# Altium PCB PCB1_Bak.PcbDoc (part 2 of 5) (continued)
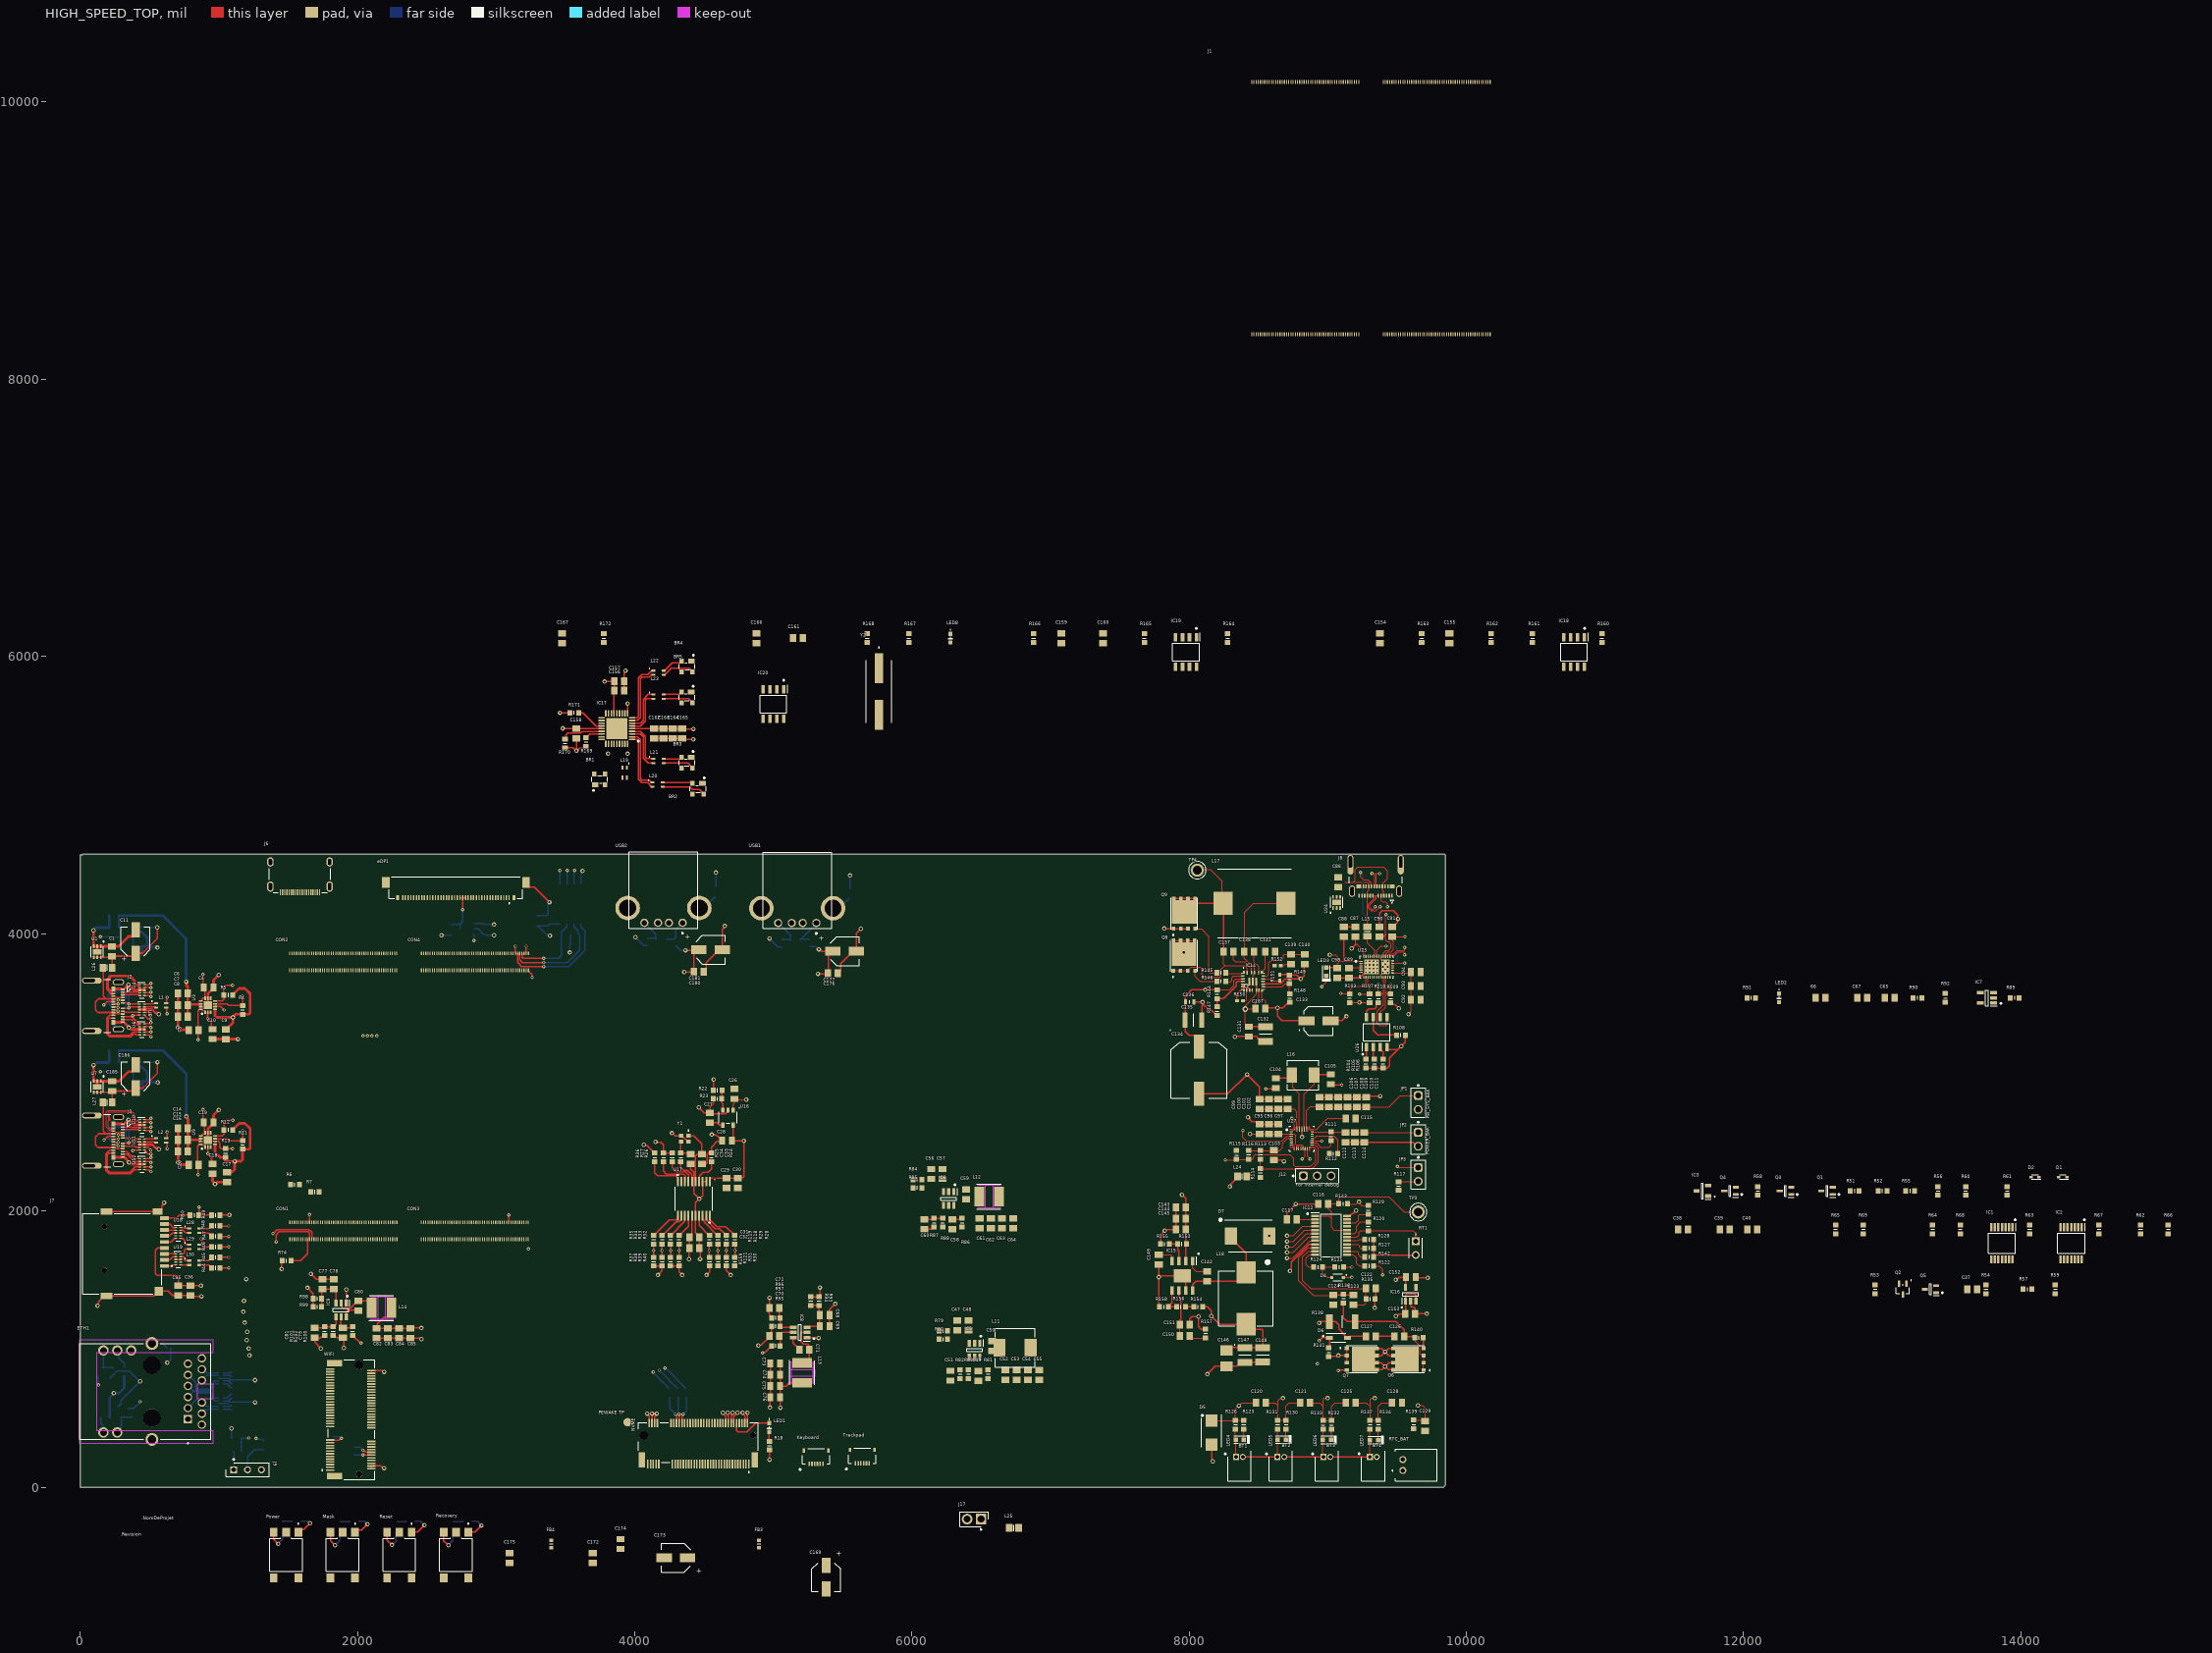
[diagram p0: HIGH_SPEED_TOP view]
## Part data (continued)
C8 C9 C10 C16 C17 C18 C21 C22: library part C0805C105K9RACTU, "1 uF, 6.3 V, ± 10%, X7R, 0805 [2012 Metric] Multilayer Ceramic Capacitor,", Case Code (Imperial)=0805, Case Code (Metric)=2012, Dielectric=X7R, Dielectric Material=Ceramic, Manufacturer=KEMET, Max Operating Temperature=125°C, Min Operating Temperature=-55°C, Mouser Part Number=80-C0805C105K9R, Package Quantity=4000, Supplier Part Number=399-13161-1-ND, Tolerance=10%, Voltage Rating=6.3V, Arrow Part Number=C0805C105K9RACTU, Arrow Price/Stock=https://www.arrow.com/en/products/c0805c105k9ractu/kemet-corporation?utm_currency=USD&region=nac, Case/Package=0805, Category="Ceramic Capacitors", ComponentLink1Description=https://datasheet.ciiva.com/5416/kem-c1002-x7r-smd-5416463.pdf?src-supplier=Mouser, ComponentLink1URL=https://datasheet.ciiva.com/5416/kem-c1002-x7r-smd-5416463.pdf?src-supplier=Mouser, Construction=Flat, Datasheet Link=https://content.kemet.com/datasheets/KEM_C1002_X7R_SMD.pdf, Depth=1.25mm, Height=1.1mm, Lead Pitch=0.75mm, Length=2mm, Manufacturer Part Number=C0805C105K9RACTU, Manufacturer_Name=KEMET, Manufacturer_Part_Number=C0805C105K9RACTU, Mounting Technology="Surface Mount", Mouser Price/Stock=https://www.mouser.co.uk/ProductDetail/KEMET/C0805C105K9RACTU?qs=Nnkldhwoc36daYb4WU%2Fecw%3D%3D, Packaging="Tape and Reel", Pricing="1=0.49, 10=0.397, 100=0.3017, 1000=0.24335, 2500=0.22102, 5000=0.20619, 7500=0.16784, 12500=0.12939, 17500=0.02492, 25000=0.02414, 62500=0.02244, 125000=0.02142, 250000=0.02059 (USD)", Radiation Hardening=No, RoHS=Yes, RoHS Compliant=Yes, Series=C0805C, Stock=8847, Supplier=Digikey, Termination=SMD/SMT, Thickness=0.039inch, Voltage Rating (DC)=6.3V, Width=1.2mm
C11 C169 C173 C177 C181 C186: library part EEE-FPJ101UAR, "100uF 6.3V 20% Cap Aluminum Lytic  SMD 0.36 Ohm 240mA 2000h 105C Automotive T/R", Case/Package=Radial, Dielectric Material=Aluminium, ESR (Equivalent Series Resistance)=360mR, Leakage Current=6.3uA, Manufacturer=Panasonic, Max Operating Temperature=105°C, Min Operating Temperature=-55°C, Mouser Part Number=667-EEE-FPJ101UAR, Package Quantity=1, Ripple Current=240mA, Supplier Part Number=PCE4514CT-ND, Tolerance=20%, Voltage=6.3V, Arrow Part Number=EEE-FPJ101UAR, Arrow Price/Stock=https://www.arrow.com/en/products/eee-fpj101uar/panasonic?utm_currency=USD&region=europe, Category="Aluminum Electrolytic Capacitors", ComponentLink1Description=https://datasheet.ciiva.com/11777/0900766b80df09a1-11777260.pdf?src-supplier=Rs, ComponentLink1URL=https://datasheet.ciiva.com/11777/0900766b80df09a1-11777260.pdf?src-supplier=Rs, ComponentLink2Description=https://datasheet.ciiva.com/25614/0900766b80df09a1-25614042.pdf?src-supplier=Rs, ComponentLink2URL=https://datasheet.ciiva.com/25614/0900766b80df09a1-25614042.pdf?src-supplier=Rs, ComponentLink3Description=https://datasheet.ciiva.com/2985/aba0000ce114-2985560.pdf?src-supplier=Avnet, ComponentLink3URL=https://datasheet.ciiva.com/2985/aba0000ce114-2985560.pdf?src-supplier=Avnet, ComponentLink4Description=https://datasheet.ciiva.com/30259/aba0000ce114-30259452.pdf?src-supplier=Onlinecomponents.com, ComponentLink4URL=https://datasheet.ciiva.com/30259/aba0000ce114-30259452.pdf?src-supplier=Onlinecomponents.com, ComponentLink5Description=https://datasheet.ciiva.com/14597/70068195-14597061.pdf?src-supplier=Allied+Electronics, ComponentLink5URL=https://datasheet.ciiva.com/14597/70068195-14597061.pdf?src-supplier=Allied+Electronics, ComponentLink6Description=https://datasheet.ciiva.com/14606/70068195-14606383.pdf?src-supplier=Allied+Electronics, ComponentLink6URL=https://datasheet.ciiva.com/14606/70068195-14606383.pdf?src-supplier=Allied+Electronics, ComponentLink7Description=https://datasheet.ciiva.com/48523/fp-eng-tds-48523719.pdf?src-supplier=Distrelec, ComponentLink7URL=https://datasheet.ciiva.com/48523/fp-eng-tds-48523719.pdf?src-supplier=Distrelec, ComponentLink8Description=https://datasheet.ciiva.com/46391/370232-46391160.pdf?src-supplier=Element14, ComponentLink8URL=https://datasheet.ciiva.com/46391/370232-46391160.pdf?src-supplier=Element14, ComponentLink9Description=https://datasheet.ciiva.com/46398/370232-46398005.pdf?src-supplier=Element14, ComponentLink9URL=https://datasheet.ciiva.com/46398/370232-46398005.pdf?src-supplier=Element14, Construction=Cylindrical, Datasheet Link=http://industrial.panasonic.com/cdbs/www-data/pdf/RDE0000/ABA0000C1184.pdf, Diameter=5mm, Height=6.5mm, Height - Seated (Max)=0.228inch, Lead Free="Lead Free", Lead Pitch=1.5mm, Length=6.1mm, Life (Hours)=2000Hour, Manufacturer Part Number=EEE-FPJ101UAR, Manufacturer_Name=Panasonic, Manufacturer_Part_Number=EEE-FPJ101UAR, Material=Aluminium, Mounting Technology="Surface Mount,PCB", Mouser Price/Stock=https://www.mouser.co.uk/ProductDetail/Panasonic/EEE-FPJ101UAR?qs=d1CqaRUMZD%252BxJy4M83vA9g%3D%3D, Packaging="Tape and Reel", Pricing="1=0.56, 10=0.35, 50=0.2602, 100=0.2317, 500=0.18256 (USD)", Radiation Hardening=No, Reach SVHC Compliant=Unknown, Ripple Current (AC)=240mA, RoHS=Yes, RoHS Compliant=Yes, Series=FP, Stock=28785, Supplier=Digikey, Termination=SMD/SMT, Voltage Rating=6.3V, Voltage Rating (DC)=6.3V
C23 C24 C29 C31 C36 C45 C137 C138: library part C0805C104K4RACAUTO, "0.1uF/16V ±10% X7R 0805 (2012METRIC) Ceramic Capacitor SMD Auto X7R", Case/Package=0805, Dielectric=X7R, Dielectric Material=4241ConductorMaterial, Manufacturer=KEMET, Max Operating Temperature=125°C, Mfr_Name=Kemet, Min Operating Temperature=-55°C, Supplier Part Number=399-C0805C104K4RACAUTOCT-ND, Temperature Coefficient=30ppm/°C, Tolerance=10%, Voltage Rating=16V, Category="Ceramic Capacitors", Depth=1.25mm, Length=2mm, Manufacturer Part Number=C0805C104K4RACAUTO, Material=4241ConductorMaterial, Packaging="Tape and Reel", Pricing="1=0.19, 10=0.108, 100=0.0672, 1000=0.04624 (USD)", RoHS=Yes, RoHS Compliant=Yes, Stock=27573, Supplier=Digikey, Voltage Rating (DC)=16V
C26 C28 C30 C32 C37 C49 C58 C70 C79: library part C0805C105K8RACTU, "Multilayer Ceramic Capacitors MLCC - SMD/SMT 10V 1uF X7R 0805 10%", Case Code (Imperial)=0805, Case Code (Metric)=2012, Dielectric=X7R, Dielectric Material=Ceramic, Manufacturer=KEMET, Max Operating Temperature=125°C, Mfr_Name=Kemet, Min Operating Temperature=-55°C, Package Quantity=1, Supplier Part Number=399-C0805C105K8RACTUCT-ND, Tolerance=10%, Voltage=10V, Case/Package=0805, Category="Ceramic Capacitors", ComponentLink1Description=https://datasheet.ciiva.com/6074/kem-c1002-x7r-smd-6074662.pdf?src-supplier=Farnell, ComponentLink1URL=https://datasheet.ciiva.com/6074/kem-c1002-x7r-smd-6074662.pdf?src-supplier=Farnell, ComponentLink2Description=https://datasheet.ciiva.com/22749/1918693-22749723.pdf?src-supplier=Element14, ComponentLink2URL=https://datasheet.ciiva.com/22749/1918693-22749723.pdf?src-supplier=Element14, ComponentLink3Description=https://datasheet.ciiva.com/46385/1851736-46385656.pdf?src-supplier=Element14, ComponentLink3URL=https://datasheet.ciiva.com/46385/1851736-46385656.pdf?src-supplier=Element14, ComponentLink4Description=https://datasheet.ciiva.com/46443/1851736-46443534.pdf?src-supplier=Element14, ComponentLink4URL=https://datasheet.ciiva.com/46443/1851736-46443534.pdf?src-supplier=Element14, Construction=Flat, Depth=1.25mm, Dissipation Factor=5%, Height=0.9mm, Lead Free=5697LeadFree, Lead Pitch=0.75mm, Length=2mm, Manufacturer Part Number=C0805C105K8RACTU, Material=4241ConductorMaterial, Mounting Technology="Surface Mount", Packaging="Tape and Reel", Pins=2NUMBER, Pricing="1=0.2, 10=0.112, 100=0.0701, 1000=0.04837 (USD)", Radiation Hardening=No, Reach SVHC Compliant=No, RoHS=Yes, RoHS Compliant=Yes, Series=C, Stock=113387, Supplier=Digikey, Termination=SMD/SMT, Thickness=0.039inch, Voltage Rating=10V, Voltage Rating (DC)=10V, Width=0.049inch
C27 C51 C60 C72 C81 C151: library part C0805C220J5RACTU, "Cap Ceramic 22pF 50V X7R 5% Pad SMD 0805 125°C T/R", Case/Package=0805, Dielectric=X7R, Dielectric Material=Ceramic, Manufacturer=KEMET, Max Operating Temperature=125°C, Mfr_Name=Kemet, Min Operating Temperature=-55°C, Supplier Part Number=399-17625-1-ND, Temperature Coefficient=30ppm/°C, Voltage Rating=50V, Category="Ceramic Capacitors", ComponentLink1Description=https://datasheet.octopart.com/C0805C220J5RACTU-KEMET-datasheet-130256537.pdf?src-supplier=Farnell, ComponentLink1URL=https://datasheet.octopart.com/C0805C220J5RACTU-KEMET-datasheet-130256537.pdf?src-supplier=Farnell, ComponentLink2Description=https://datasheet.octopart.com/C0805C220J5RACTU-KEMET-datasheet-170333836.pdf?src-supplier=Newark, ComponentLink2URL=https://datasheet.octopart.com/C0805C220J5RACTU-KEMET-datasheet-170333836.pdf?src-supplier=Newark, Height=880um, Manufacturer Part Number=C0805C220J5RACTU, Material=Ceramic, Pricing="1=0.13, 10=0.072, 100=0.0434, 1000=0.02906 (USD)", RoHS=Yes, RoHS Compliant=Yes, Stock=8069, Supplier=Digikey, Voltage Rating (DC)=50V
C33 C34: library part C0805C150K5RACAUTO, "Multilayer Ceramic Capacitors MLCC - SMD/SMT 50V 15pF X7R 0805 10% AEC-Q200", Manufacturer=KEMET, Mfr_Name=Kemet, Supplier Part Number=399-C0805C150K5RACAUTOCT-ND, Category="Ceramic Capacitors", ComponentLink1Description=https://datasheet.octopart.com/C0805C150K5RACAUTO-KEMET-datasheet-149524000.pdf?src-supplier=Farnell, ComponentLink1URL=https://datasheet.octopart.com/C0805C150K5RACAUTO-KEMET-datasheet-149524000.pdf?src-supplier=Farnell, ComponentLink2Description=https://datasheet.octopart.com/C0805C150K5RACAUTO-KEMET-datasheet-170212647.pdf?src-supplier=Newark, ComponentLink2URL=https://datasheet.octopart.com/C0805C150K5RACAUTO-KEMET-datasheet-170212647.pdf?src-supplier=Newark, Manufacturer Part Number=C0805C150K5RACAUTO, Pricing="1=0.22, 10=0.124, 100=0.0903 (USD)", RoHS=Yes, RoHS Compliant=Yes, Stock=14268, Supplier=Digikey
C38 C39 C40: library part C0805C104J8RACTU, "Cap Ceramic 0.1uF 10V X7R 5% Pad SMD 0805 125C T/R", Case Code (Imperial)=0805, Case Code (Metric)=2012, Dielectric=X7R, Dielectric Material=Ceramic, Manufacturer=KEMET, Max Operating Temperature=125°C, Mfr_Name=Kemet, Min Operating Temperature=-55°C, Package Quantity=1, Supplier Part Number=399-C0805C104J8RACTUCT-ND, Temperature Coefficient=30ppm/°C, Tolerance=5%, Voltage Rating=10V, Case/Package=0805, Category="Ceramic Capacitors", ComponentLink1Description=http://www.farnell.com/datasheets/2552466.pdf?src-supplier=Farnell, ComponentLink1URL=http://www.farnell.com/datasheets/2552466.pdf?src-supplier=Farnell, ComponentLink2Description=http://www.mouser.com/ds/2/212/KEM_C1002_X7R_SMD-1102033.pdf?src-supplier=Mouser, ComponentLink2URL=http://www.mouser.com/ds/2/212/KEM_C1002_X7R_SMD-1102033.pdf?src-supplier=Mouser, ComponentLink3Description=http://datasheet.octopart.com/C0805C104J8RACTU-KEMET-datasheet-100087375.pdf?src-supplier=Avnet, ComponentLink3URL=http://datasheet.octopart.com/C0805C104J8RACTU-KEMET-datasheet-100087375.pdf?src-supplier=Avnet, ComponentLink4Description=http://datasheet.octopart.com/C0805C104J8RACTU-KEMET-datasheet-100087375.pdf?src-supplier=Onlinecomponents.com, ComponentLink4URL=http://datasheet.octopart.com/C0805C104J8RACTU-KEMET-datasheet-100087375.pdf?src-supplier=Onlinecomponents.com, ComponentLink5Description=http://capacitoredge.kemet.com/capedge2/DataSheet?pn=C0805C104J8RACTU&src-supplier=Avnet, ComponentLink5URL=http://capacitoredge.kemet.com/capedge2/DataSheet?pn=C0805C104J8RACTU&src-supplier=Avnet, ComponentLink6Description=https://datasheet.octopart.com/C0805C104J8RACTU-KEMET-datasheet-170333832.pdf?src-supplier=Newark, ComponentLink6URL=https://datasheet.octopart.com/C0805C104J8RACTU-KEMET-datasheet-170333832.pdf?src-supplier=Newark, ComponentLink7Description=http://datasheet.octopart.com/C0805C104J8RACTU-KEMET-datasheet-100087375.pdf?src-supplier=Digikey, ComponentLink7URL=http://datasheet.octopart.com/C0805C104J8RACTU-KEMET-datasheet-100087375.pdf?src-supplier=Digikey, ComponentLink8Description=https://search.kemet.com/component-edge/download/datasheet/C0805C104J8RACTU.pdf?src-supplier=Digikey, ComponentLink8URL=https://search.kemet.com/component-edge/download/datasheet/C0805C104J8RACTU.pdf?src-supplier=Digikey, ComponentLink9Description=https://api.kemet.com/component-edge/download/datasheet/C0805C104J8RACTU.pdf?src-supplier=Digikey, ComponentLink9URL=https://api.kemet.com/component-edge/download/datasheet/C0805C104J8RACTU.pdf?src-supplier=Digikey, ComponentLink10Description=https://datasheet.octopart.com/C0805C104J8RACTU-Kemet-datasheet-62307647.pdf?src-supplier=Element14, ComponentLink10URL=https://datasheet.octopart.com/C0805C104J8RACTU-Kemet-datasheet-62307647.pdf?src-supplier=Element14, ComponentLink11Description=https://datasheet.octopart.com/C0805C104J8RACTU-KEMET-datasheet-100087375.pdf?src-supplier=Farnell, ComponentLink11URL=https://datasheet.octopart.com/C0805C104J8RACTU-KEMET-datasheet-100087375.pdf?src-supplier=Farnell, ComponentLink12Description=http://datasheet.octopart.com/C0805C104J8RACTU-KEMET-datasheet-100087375.pdf?src-supplier=TTI, ComponentLink12URL=http://datasheet.octopart.com/C0805C104J8RACTU-KEMET-datasheet-100087375.pdf?src-supplier=TTI, ComponentLink13Description=https://datasheet.octopart.com/C0805C104J8RACTU-KEMET-datasheet-37550250.pdf?src-supplier=Electro+Sonic, ComponentLink13URL=https://datasheet.octopart.com/C0805C104J8RACTU-KEMET-datasheet-37550250.pdf?src-supplier=Electro+Sonic, Construction=Flat, Depth=1.25mm, Height=0.9mm, Lead Pitch=0.75mm, Length=2mm, Manufacturer Part Number=C0805C104J8RACTU, Material=4241ConductorMaterial, Mounting Technology="Surface Mount", Packaging="Tape and Reel", Pricing="1=0.54, 10=0.331, 100=0.1983, 1000=0.14915 (USD)", Radiation Hardening=No, Reach SVHC Compliant=No, RoHS=Yes, RoHS Compliant=Yes, Series=C, Stock=7602, Supplier=Digikey, Termination=SMD/SMT, Thickness=0.035inch, Voltage Rating (DC)=10V, Width=0.049inch
C41 C42 C43 C44 C115 C155 C170 C174 C178 C182: library part C0805C102K5RACTU, "Multilayer Ceramic Capacitor 1000 Pf 50 V ½ 10% X7R 0805 [2012 Metric]", Case Code (Imperial)=0805, Case Code (Metric)=2012, Dielectric=X7R, Dielectric Material=4241ConductorMaterial, Manufacturer=KEMET, Manufacturer_Part_Number=C0805C102K5RAC-TU, Max Operating Temperature=125°C, Min Operating Temperature=-55°C, Package Quantity=4000, Supplier Part Number=399-C0805C102K5RACTUCT-ND, Temperature Coefficient=30ppm/°C, Tolerance=10%, Voltage=50V, Case/Package=0805, Category="Ceramic Capacitors", ComponentLink1Description=https://datasheet.ciiva.com/18193/getdatasheetpartid-385640-18193338.pdf?src-supplier=Verical, ComponentLink1URL=https://datasheet.ciiva.com/18193/getdatasheetpartid-385640-18193338.pdf?src-supplier=Verical, ComponentLink2Description=https://datasheet.ciiva.com/39122/docfinderpartnumberc0402c102k5ractu-39122922.pdf?src-supplier=Onlinecomponents.com, ComponentLink2URL=https://datasheet.ciiva.com/39122/docfinderpartnumberc0402c102k5ractu-39122922.pdf?src-supplier=Onlinecomponents.com, ComponentLink3Description=https://datasheet.ciiva.com/7842/1918693-7842527.pdf?src-supplier=Element14, ComponentLink3URL=https://datasheet.ciiva.com/7842/1918693-7842527.pdf?src-supplier=Element14, Construction=Flat, Datasheet Link=https://componentsearchengine.com/Datasheets/2/C0805C102K5RAC-TU.pdf, Depth=1.25mm, Height=0.88mm, Lead Free=5697LeadFree, Lead Pitch=0.75mm, Length=2mm, Manufacturer Part Number=C0805C102K5RACTU, Manufacturer_Name=KEMET, Material=4241ConductorMaterial, Mounting Technology="Surface Mount,PCB", Packaging="Tape and Reel", Pins=2, Pricing="1=0.11, 10=0.06, 100=0.0358, 1000=0.0235 (USD)", Radiation Hardening=No, Reach SVHC Compliant=No, RoHS=Yes, RoHS Compliant=Yes, Series="SMD Comm X7R", Stock=137971, Supplier=Digikey, Termination=SMD/SMT, Thickness=889um, Voltage Rating=50V, Voltage Rating (DC)=50V, Width=1.25mm
C46 C154: library part C0805C105K4RACTU, "1uF/16 V, X7R, Surface Mount, 0805", Case Code (Imperial)=0805, Case Code (Metric)=2012, Dielectric=X7R, Manufacturer=KEMET, Max Operating Temperature=125°C, Min Operating Temperature=-55°C, Mouser Part Number=80-C0805C105K4R, Package Quantity=1, Supplier Part Number=399-C0805C105K4RACTUCT-ND, Tolerance=10%, Voltage=16V, Arrow Part Number=C0805C105K4RACTU, Arrow Price/Stock=https://www.arrow.com/en/products/c0805c105k4ractu/kemet-corporation?utm_currency=USD&region=nac, Case/Package=0805, Category="Ceramic Capacitors", ComponentLink1Description=https://datasheet.ciiva.com/6074/1722731-6074364.pdf?src-supplier=Farnell, ComponentLink1URL=https://datasheet.ciiva.com/6074/1722731-6074364.pdf?src-supplier=Farnell, ComponentLink2Description=https://datasheet.ciiva.com/39122/docfinderpartnumberc0402c102k5ractu-39122926.pdf?src-supplier=Onlinecomponents.com, ComponentLink2URL=https://datasheet.ciiva.com/39122/docfinderpartnumberc0402c102k5ractu-39122926.pdf?src-supplier=Onlinecomponents.com, ComponentLink3Description=https://datasheet.ciiva.com/45846/docfinderpartnumberc0402c102k5ractu-45846934.pdf?src-supplier=Onlinecomponents.com, ComponentLink3URL=https://datasheet.ciiva.com/45846/docfinderpartnumberc0402c102k5ractu-45846934.pdf?src-supplier=Onlinecomponents.com, ComponentLink4Description=https://datasheet.ciiva.com/18193/getdatasheetpartid-331279-18193467.pdf?src-supplier=Verical, ComponentLink4URL=https://datasheet.ciiva.com/18193/getdatasheetpartid-331279-18193467.pdf?src-supplier=Verical, ComponentLink5Description=https://datasheet.ciiva.com/14585/70095383-14585511.pdf?src-supplier=Allied+Electronics, ComponentLink5URL=https://datasheet.ciiva.com/14585/70095383-14585511.pdf?src-supplier=Allied+Electronics, ComponentLink6Description=https://datasheet.ciiva.com/14603/70095383-14603388.pdf?src-supplier=Allied+Electronics, ComponentLink6URL=https://datasheet.ciiva.com/14603/70095383-14603388.pdf?src-supplier=Allied+Electronics, ComponentLink7Description=https://datasheet.ciiva.com/28692/1851736-28692942.pdf?src-supplier=Element14, ComponentLink7URL=https://datasheet.ciiva.com/28692/1851736-28692942.pdf?src-supplier=Element14, Construction=Flat, Datasheet Link=https://content.kemet.com/datasheets/KEM_C1002_X7R_SMD.pdf, Depth=1.25mm, Height=1.1mm, Lead Free=5697LeadFree, Length=2mm, Manufacturer Part Number=C0805C105K4RACTU, Manufacturer_Name=KEMET, Manufacturer_Part_Number=C0805C105K4RACTU, Material=4241ConductorMaterial, Mounting Technology="Surface Mount,PCB", Mouser Price/Stock=https://www.mouser.co.uk/ProductDetail/KEMET/C0805C105K4RACTU?qs=yrVqjCObULOefkidH6lLLQ%3D%3D, Packaging="Tape and Reel", Pins=2, Pricing="1=0.12, 10=0.068, 100=0.041, 1000=0.04021, 2500=0.02182, 5000=0.02051, 7500=0.02038, 12500=0.01866, 17500=0.01858, 25000=0.01797, 62500=0.01676, 125000=0.01602, 250000=0.01544 (USD)", Radiation Hardening=No, Reach SVHC Compliant=No, RoHS=Yes, RoHS Compliant=Yes, Series="SMD Comm X7R", Stock=422443, Supplier=Digikey, Termination=SMD/SMT, Thickness=0.039inch, Voltage Rating=16V, Voltage Rating (AC)=16V, Voltage Rating (DC)=16V, Width=0.049inch
C47 C48 C52 C53 C54 C55 C56 C57 C61 C62 C63 C64 C65 C68 C69 C73 C74 C75 C76 C77 C78 C82 C83 C84 C85 C87 C88 C89 C95 C96 C98 C99 C100 C101 C107 C108 C109 C110 C111 C113 C114 C152 C153: library part C0805C106K3PACTU, "10uF / 25 VDC, +85degC, X5R Dielec, +/-10%", Case Code (Imperial)=0805, Case Code (Metric)=2012, Dielectric=X5R, Dielectric Material=Ceramic, Manufacturer=KEMET, Max Operating Temperature=85°C, Mfr_Name=Kemet, Min Operating Temperature=-55°C, Supplier Part Number=399-11939-1-ND, Tolerance=10%, Voltage=25V, Case/Package=0805, Category="Ceramic Capacitors", ComponentLink1Description=http://www.farnell.com/datasheets/2741185.pdf?src-supplier=Farnell, ComponentLink1URL=http://www.farnell.com/datasheets/2741185.pdf?src-supplier=Farnell, ComponentLink2Description=http://www.alliedelec.com/m/d/f3c02ddb98afa3dd1adcb801109671e9.pdf?src-supplier=Allied+Electronics, ComponentLink2URL=http://www.alliedelec.com/m/d/f3c02ddb98afa3dd1adcb801109671e9.pdf?src-supplier=Allied+Electronics, ComponentLink3Description=https://api.kemet.com/component-edge/download/datasheet/C0805C106K3PAC7800.pdf?src-supplier=Digikey, ComponentLink3URL=https://api.kemet.com/component-edge/download/datasheet/C0805C106K3PAC7800.pdf?src-supplier=Digikey, ComponentLink4Description=http://www.kemet.com/Lists/ProductCatalog/Attachments/19/KEM_C1006_X5R_SMD.pdf?src-supplier=Avnet, ComponentLink4URL=http://www.kemet.com/Lists/ProductCatalog/Attachments/19/KEM_C1006_X5R_SMD.pdf?src-supplier=Avnet, ComponentLink5Description=http://www.farnell.com/datasheets/2741185.pdf?src-supplier=Element14, ComponentLink5URL=http://www.farnell.com/datasheets/2741185.pdf?src-supplier=Element14, ComponentLink6Description=http://www.farnell.com/datasheets/2741185.pdf?src-supplier=Newark, ComponentLink6URL=http://www.farnell.com/datasheets/2741185.pdf?src-supplier=Newark, ComponentLink7Description=https://datasheet.octopart.com/C0805C106K3PACTU-Kemet-datasheet-46909776.pdf?src-supplier=Element14, ComponentLink7URL=https://datasheet.octopart.com/C0805C106K3PACTU-Kemet-datasheet-46909776.pdf?src-supplier=Element14, Depth=1.25mm, Dissipation Factor=10%, Height=1.25mm, Lead Free=5697LeadFree, Length=2mm, Manufacturer Part Number=C0805C106K3PACTU, Material=4241ConductorMaterial, Packaging="Cut Tape", Reach SVHC Compliant=No, RoHS=Yes, RoHS Compliant=Yes, Series="SMD Comm X5R", Supplier=Digikey, Termination=Solder, Voltage Rating=25V, Voltage Rating (DC)=25V
C50 C59 C71 C80 C94 C122 C123 C124 C126 C127 C142 C187: library part C0805C104K3RACTU, "0.1uF 25V X7R 10% SMD 0805 125C Plastic T/R", Case Code (Imperial)=0805, Case Code (Metric)=2012, Dielectric=X7R, Manufacturer=KEMET, Max Operating Temperature=125°C, Mfr_Name=Kemet, Min Operating Temperature=-55°C, Package Quantity=4000, Supplier Part Number=399-C0805C104K3RACTUCT-ND, Temperature Coefficient=30ppm/°C, Tolerance=10%, Voltage Rating=25V, Case/Package=0805, Category="Ceramic Capacitors", ComponentLink1Description=https://datasheet.ciiva.com/7842/kem-c1002-x7r-smd-7842536.pdf?src-supplier=Element14, ComponentLink1URL=https://datasheet.ciiva.com/7842/kem-c1002-x7r-smd-7842536.pdf?src-supplier=Element14, ComponentLink2Description=https://datasheet.ciiva.com/7842/kem-c1002-x7r-smd-7842538.pdf?src-supplier=Element14, ComponentLink2URL=https://datasheet.ciiva.com/7842/kem-c1002-x7r-smd-7842538.pdf?src-supplier=Element14, Construction=Flat, Depth=1.25mm, Height=0.9mm, Lead Free=5697LeadFree, Lead Pitch=0.75mm, Length=2mm, Manufacturer Part Number=C0805C104K3RACTU, Material=4241ConductorMaterial, Mounting Technology="Surface Mount,PCB", Packaging="Tape and Reel", Pins=2NUMBER, Radiation Hardening=No, Reach SVHC Compliant=4186SVHC, RoHS=Yes, RoHS Compliant=Yes, Series="SMD Comm X7R", Supplier=Digikey, Termination=SMD/SMT, Thickness=889um, Voltage Rating (DC)=25V, Width=1.2mm
C67 C116 C117 C120 C121 C125 C128 C129 C131: library part C0805C105K3RACTU, "1 µF, 25 V (DC), ±10 %, SMD 0805, X7R, C0805C105K3RAC7800", Case Code (Imperial)=0805, Case Code (Metric)=2012, Dielectric=X7R, Dielectric Material=Ceramic, Manufacturer=KEMET, Max Operating Temperature=125°C, Min Operating Temperature=-55°C, Mouser Part Number=80-C0805C105K3R, Package Quantity=2500, Supplier Part Number=399-C0805C105K3RACTUCT-ND, Tolerance=10%, Voltage=25V, Arrow Part Number=C0805C105K3RACTU, Arrow Price/Stock=https://www.arrow.com/en/products/c0805c105k3ractu/kemet-corporation?region=nac, Case/Package=0805, Category="Ceramic Capacitors", Construction=Flat, Datasheet Link=https://content.kemet.com/datasheets/KEM_C1002_X7R_SMD.pdf, Depth=1.25mm, Height=1.1mm, Length=2mm, Manufacturer Part Number=C0805C105K3RACTU, Manufacturer_Name=KEMET, Manufacturer_Part_Number=C0805C105K3RACTU, Material=4241ConductorMaterial, Mounting Technology="Surface Mount", Mouser Price/Stock=https://www.mouser.co.uk/ProductDetail/KEMET/C0805C105K3RACTU?qs=7V%2FSUxyM1Kfm2X%2FN09twSA%3D%3D, Packaging="Tape and Reel", Pins=2, Pricing="1=0.61, 10=0.498, 100=0.376, 1000=0.30337 (USD)", Radiation Hardening=No, Reach SVHC Compliant=No, RoHS=Yes, RoHS Compliant=Yes, Series=C, Stock=127373, Supplier=Digikey, Termination=SMD/SMT, Thickness=0.055inch, Voltage Rating=25V, Voltage Rating (DC)=25V, Width=0.049inch
C86 C149: library part C0805C103K3RACTU, "0.01uF 25V X7R 10% SMD 0805 125C Paper T/R", Case Code (Imperial)=0805, Case Code (Metric)=2012, Dielectric=X7R, Dielectric Material=Ceramic, Manufacturer=KEMET, Max Operating Temperature=125°C, Min Operating Temperature=-55°C, Mouser Part Number=80-C0805C103K3R, Package Quantity=4000, Supplier Part Number=399-C0805C103K3RACTUCT-ND, Temperature Coefficient=30ppm/°C, Tolerance=10%, Voltage Rating=25V, Arrow Part Number=C0805C103K3RACTU, Arrow Price/Stock=https://www.arrow.com/en/products/c0805c103k3ractu/kemet-corporation, Case/Package=0805, Category="Ceramic Capacitors", ComponentLink1Description=http://www.farnell.com/datasheets/2746089.pdf?src-supplier=Farnell, ComponentLink1URL=http://www.farnell.com/datasheets/2746089.pdf?src-supplier=Farnell, ComponentLink2Description=http://www.farnell.com/datasheets/2315422.pdf?src-supplier=Farnell, ComponentLink2URL=http://www.farnell.com/datasheets/2315422.pdf?src-supplier=Farnell, ComponentLink3Description=http://components.arrow.com/part/dataview/2091057S98063N7429?src-supplier=Arrow+Electronics, ComponentLink3URL=http://components.arrow.com/part/dataview/2091057S98063N7429?src-supplier=Arrow+Electronics, ComponentLink4Description=http://www.mouser.com/ds/2/212/KEM_C1002_X7R_SMD-1102033.pdf?src-supplier=Mouser, ComponentLink4URL=http://www.mouser.com/ds/2/212/KEM_C1002_X7R_SMD-1102033.pdf?src-supplier=Mouser, ComponentLink5Description=https://www.verical.com/server-webapp/html/getDatasheet?partID=697850&src-supplier=Verical, ComponentLink5URL=https://www.verical.com/server-webapp/html/getDatasheet?partID=697850&src-supplier=Verical, ComponentLink6Description=http://www.jameco.com/Jameco/Products/ProdDS/1637716.pdf?src-supplier=Jameco, ComponentLink6URL=http://www.jameco.com/Jameco/Products/ProdDS/1637716.pdf?src-supplier=Jameco, ComponentLink7Description=https://api.kemet.com/component-edge/download/datasheet/C0805C103K3RACTU.pdf?src-supplier=Digikey, ComponentLink7URL=https://api.kemet.com/component-edge/download/datasheet/C0805C103K3RACTU.pdf?src-supplier=Digikey, ComponentLink8Description=http://capacitoredge.kemet.com/capedge2/DataSheet?pn=C0805C103K3RACTU&src-supplier=Avnet, ComponentLink8URL=http://capacitoredge.kemet.com/capedge2/DataSheet?pn=C0805C103K3RACTU&src-supplier=Avnet, ComponentLink9Description=http://www.farnell.com/datasheets/2746089.pdf?src-supplier=Newark, ComponentLink9URL=http://www.farnell.com/datasheets/2746089.pdf?src-supplier=Newark, ComponentLink10Description=https://datasheet.octopart.com/C0805C103K3RACTU-KEMET-datasheet-37550250.pdf?src-supplier=Electro+Sonic, ComponentLink10URL=https://datasheet.octopart.com/C0805C103K3RACTU-KEMET-datasheet-37550250.pdf?src-supplier=Electro+Sonic, ComponentLink11Description=https://datasheet.octopart.com/C0805C103K3RACTU-KEMET-datasheet-130259678.pdf?src-supplier=TME, ComponentLink11URL=https://datasheet.octopart.com/C0805C103K3RACTU-KEMET-datasheet-130259678.pdf?src-supplier=TME, Construction=Flat, Datasheet Link=https://content.kemet.com/datasheets/KEM_C1002_X7R_SMD.pdf, Depth=1.25mm, Dissipation Factor=3.5%, Height=1.1mm, Lead Pitch=0.75mm, Length=2mm, Manufacturer Part Number=C0805C103K3RACTU, Manufacturer_Name=KEMET, Manufacturer_Part_Number=C0805C103K3RACTU, Material=4241ConductorMaterial, Mounting Technology="Surface Mount", Mouser Price/Stock=https://www.mouser.co.uk/ProductDetail/KEMET/C0805C103K3RACTU?qs=5x48ZXzl2vJVSrNkrDG8kg%3D%3D, Packaging="Tape and Reel", Pricing="1=0.12, 10=0.066, 100=0.0398, 1000=0.03092 (USD)", Radiation Hardening=No, Reach SVHC Compliant=No, RoHS=Yes, RoHS Compliant=Yes, Series="SMD Comm X7R", Stock=5327, Supplier=Digikey, Termination=SMD/SMT, Thickness=0.035inch, Voltage Rating (DC)=25V, Width=1.2mm
C90 C91: library part C0805C331K3GACTU, "330pF 25VC0G 0805 10%", Case Code (Imperial)=0805, Case Code (Metric)=2012, Dielectric=C0G, Dielectric Material=Ceramic, Manufacturer=KEMET, Max Operating Temperature=125°C, Min Operating Temperature=-55°C, Mouser Part Number=80-C0805C331K3G, Supplier Part Number=399-C0805C331K3GACTUCT-ND, Temperature Coefficient=30ppm/°C, Tolerance=10%, Voltage Rating=25V, Case/Package=0805, Category="Ceramic Capacitors", ComponentLink1Description=http://www.mouser.com/ds/2/212/KEM_C1003_C0G_SMD-1101588.pdf?src-supplier=Mouser, ComponentLink1URL=http://www.mouser.com/ds/2/212/KEM_C1003_C0G_SMD-1101588.pdf?src-supplier=Mouser, ComponentLink2Description=http://components.arrow.com/part/dataview/29547903S8614793N7429?src-supplier=Arrow+Electronics, ComponentLink2URL=http://components.arrow.com/part/dataview/29547903S8614793N7429?src-supplier=Arrow+Electronics, ComponentLink3Description=https://api.kemet.com/component-edge/download/datasheet/C0805C331K3GACTU.pdf?src-supplier=Digikey, ComponentLink3URL=https://api.kemet.com/component-edge/download/datasheet/C0805C331K3GACTU.pdf?src-supplier=Digikey, Construction=Flat, Datasheet Link=https://content.kemet.com/datasheets/KEM_C1003_C0G_SMD.pdf, Depth=1.25mm, Height=1.1mm, Lead Free="Lead Free", Length=2mm, Manufacturer Part Number=C0805C331K3GACTU, Manufacturer_Name=KEMET, Manufacturer_Part_Number=C0805C331K3GACTU, Material=4241ConductorMaterial, Mounting Technology="Surface Mount", Mouser Price/Stock=https://www.mouser.com/Search/Refine.aspx?Keyword=80-C0805C331K3G, Packaging="Tape and Reel", Pricing="1=0.26, 10=0.151, 100=0.0965, 1000=0.06823 (USD)", RoHS=Yes, RoHS Compliant=Yes, Series="SMD Comm C0G", Stock=3769, Supplier=Digikey, Termination=SMD/SMT, Voltage Rating (DC)=25V, Weight=0.000194oz, Width=1.25mm
C92 C93: library part CL21A226MAYNNNE, "22uF/25V 20% X5R 0805", Case/Package=0805, Dielectric=X5R, Manufacturer=Samsung, Manufacturer_Name=SAMSUNG, Max Operating Temperature=85°C, Min Operating Temperature=-55°C, Mouser Part Number=187-CL21A226MAYNNNE, Supplier Part Number=1276-CL21A226MAYNNNECT-ND, Tolerance=20%, Voltage Rating=25V, Arrow Part Number=CL21A226MAYNNNE, Arrow Price/Stock=https://www.arrow.com/en/products/cl21a226maynnne/samsung-electro-mechanics?utm_currency=USD&region=nac, Category="Ceramic Capacitors", ComponentLink1Description=https://datasheet.octopart.com/CL21A226MAYNNNE-Samsung-Electro-Mechanics-datasheet-149154243.pdf?src-supplier=Future+Electronics, ComponentLink1URL=https://datasheet.octopart.com/CL21A226MAYNNNE-Samsung-Electro-Mechanics-datasheet-149154243.pdf?src-supplier=Future+Electronics, Datasheet Link=http://product.samsungsem.com/mlcc/CL21A226MAYNNN.do, Height=1.45mm, Manufacturer Part Number=CL21A226MAYNNNE, Manufacturer_Part_Number=CL21A226MAYNNNE, Mouser Price/Stock=https://www.mouser.co.uk/ProductDetail/Samsung-Electro-Mechanics/CL21A226MAYNNNE?qs=xZ%2FP%252Ba9zWqY%2FVvCfXjMhqg%3D%3D, Pricing="1=0.14, 10=0.083, 100=0.0544, 1000=0.04301 (USD)", RoHS=Yes, RoHS Compliant=Yes, Stock=687201, Supplier=Digikey, Voltage Rating (DC)=25V
C97 C102 C106 C112: library part C0805C104K5RACTU, "0.1uF/50V X7R 10% 0805 Multilayer Ceramic Capacitors Mlcc Smd/Smt Rohs", Case Code (Imperial)=0805, Case Code (Metric)=2012, Dielectric=X7R, Manufacturer=KEMET, Max Operating Temperature=125°C, Min Operating Temperature=-55°C, Mouser Part Number=80-C0805C104K5R, Package Quantity=4000, Supplier Part Number=399-C0805C104K5RACTUCT-ND, Temperature Coefficient=30ppm/°C, Tolerance=10%, Voltage=500V, Voltage Rating=50V, Arrow Part Number=C0805C104K5RACTU, Arrow Price/Stock=https://www.arrow.com/en/products/c0805c104k5ractu/kemet-corporation?utm_currency=USD&region=nac, Case/Package=0805, Category="Ceramic Capacitors", ComponentLink1Description=https://datasheet.ciiva.com/32431/slceramic-chip-condensers-e-32431755.pdf?src-supplier=Distrelec, ComponentLink1URL=https://datasheet.ciiva.com/32431/slceramic-chip-condensers-e-32431755.pdf?src-supplier=Distrelec, ComponentLink2Description=https://datasheet.ciiva.com/28682/1851736-28682232.pdf?src-supplier=Element14, ComponentLink2URL=https://datasheet.ciiva.com/28682/1851736-28682232.pdf?src-supplier=Element14, ComponentLink3Description=https://datasheet.ciiva.com/18410/70095383-18410815.pdf?src-supplier=Allied+Electronics, ComponentLink3URL=https://datasheet.ciiva.com/18410/70095383-18410815.pdf?src-supplier=Allied+Electronics, ComponentLink4Description=https://datasheet.ciiva.com/14589/70095383-14589048.pdf?src-supplier=Allied+Electronics, ComponentLink4URL=https://datasheet.ciiva.com/14589/70095383-14589048.pdf?src-supplier=Allied+Electronics, Construction=Flat, Datasheet Link=https://content.kemet.com/datasheets/KEM_C1002_X7R_SMD.pdf, Depth=1.25mm, Height=1.1mm, Lead Free=5697LeadFree, Lead Pitch=0.75mm, Length=2mm, Manufacturer Part Number=C0805C104K5RACTU, Manufacturer_Name=KEMET, Manufacturer_Part_Number=C0805C104K5RACTU, Material=4241ConductorMaterial, Mounting Technology="Surface Mount,PCB", Mouser Price/Stock=https://www.mouser.co.uk/ProductDetail/KEMET/C0805C104K5RACTU?qs=Pc30aiB8zWUISNb2Qeyxfw%3D%3D, Packaging="Tape and Reel", Pins=2, Pricing="1=0.09, 10=0.037, 100=0.0248, 1000=0.0224 (USD)", Radiation Hardening=No, Reach SVHC Compliant=No, RoHS=Yes, RoHS Compliant=Yes, Series="SMD Comm X7R", Stock=625118, Supplier=Digikey, Termination=SMD/SMT, Voltage Rating (DC)=50V, Width=1.2mm